# KiCad board main_PCB_v1.kicad_pcb
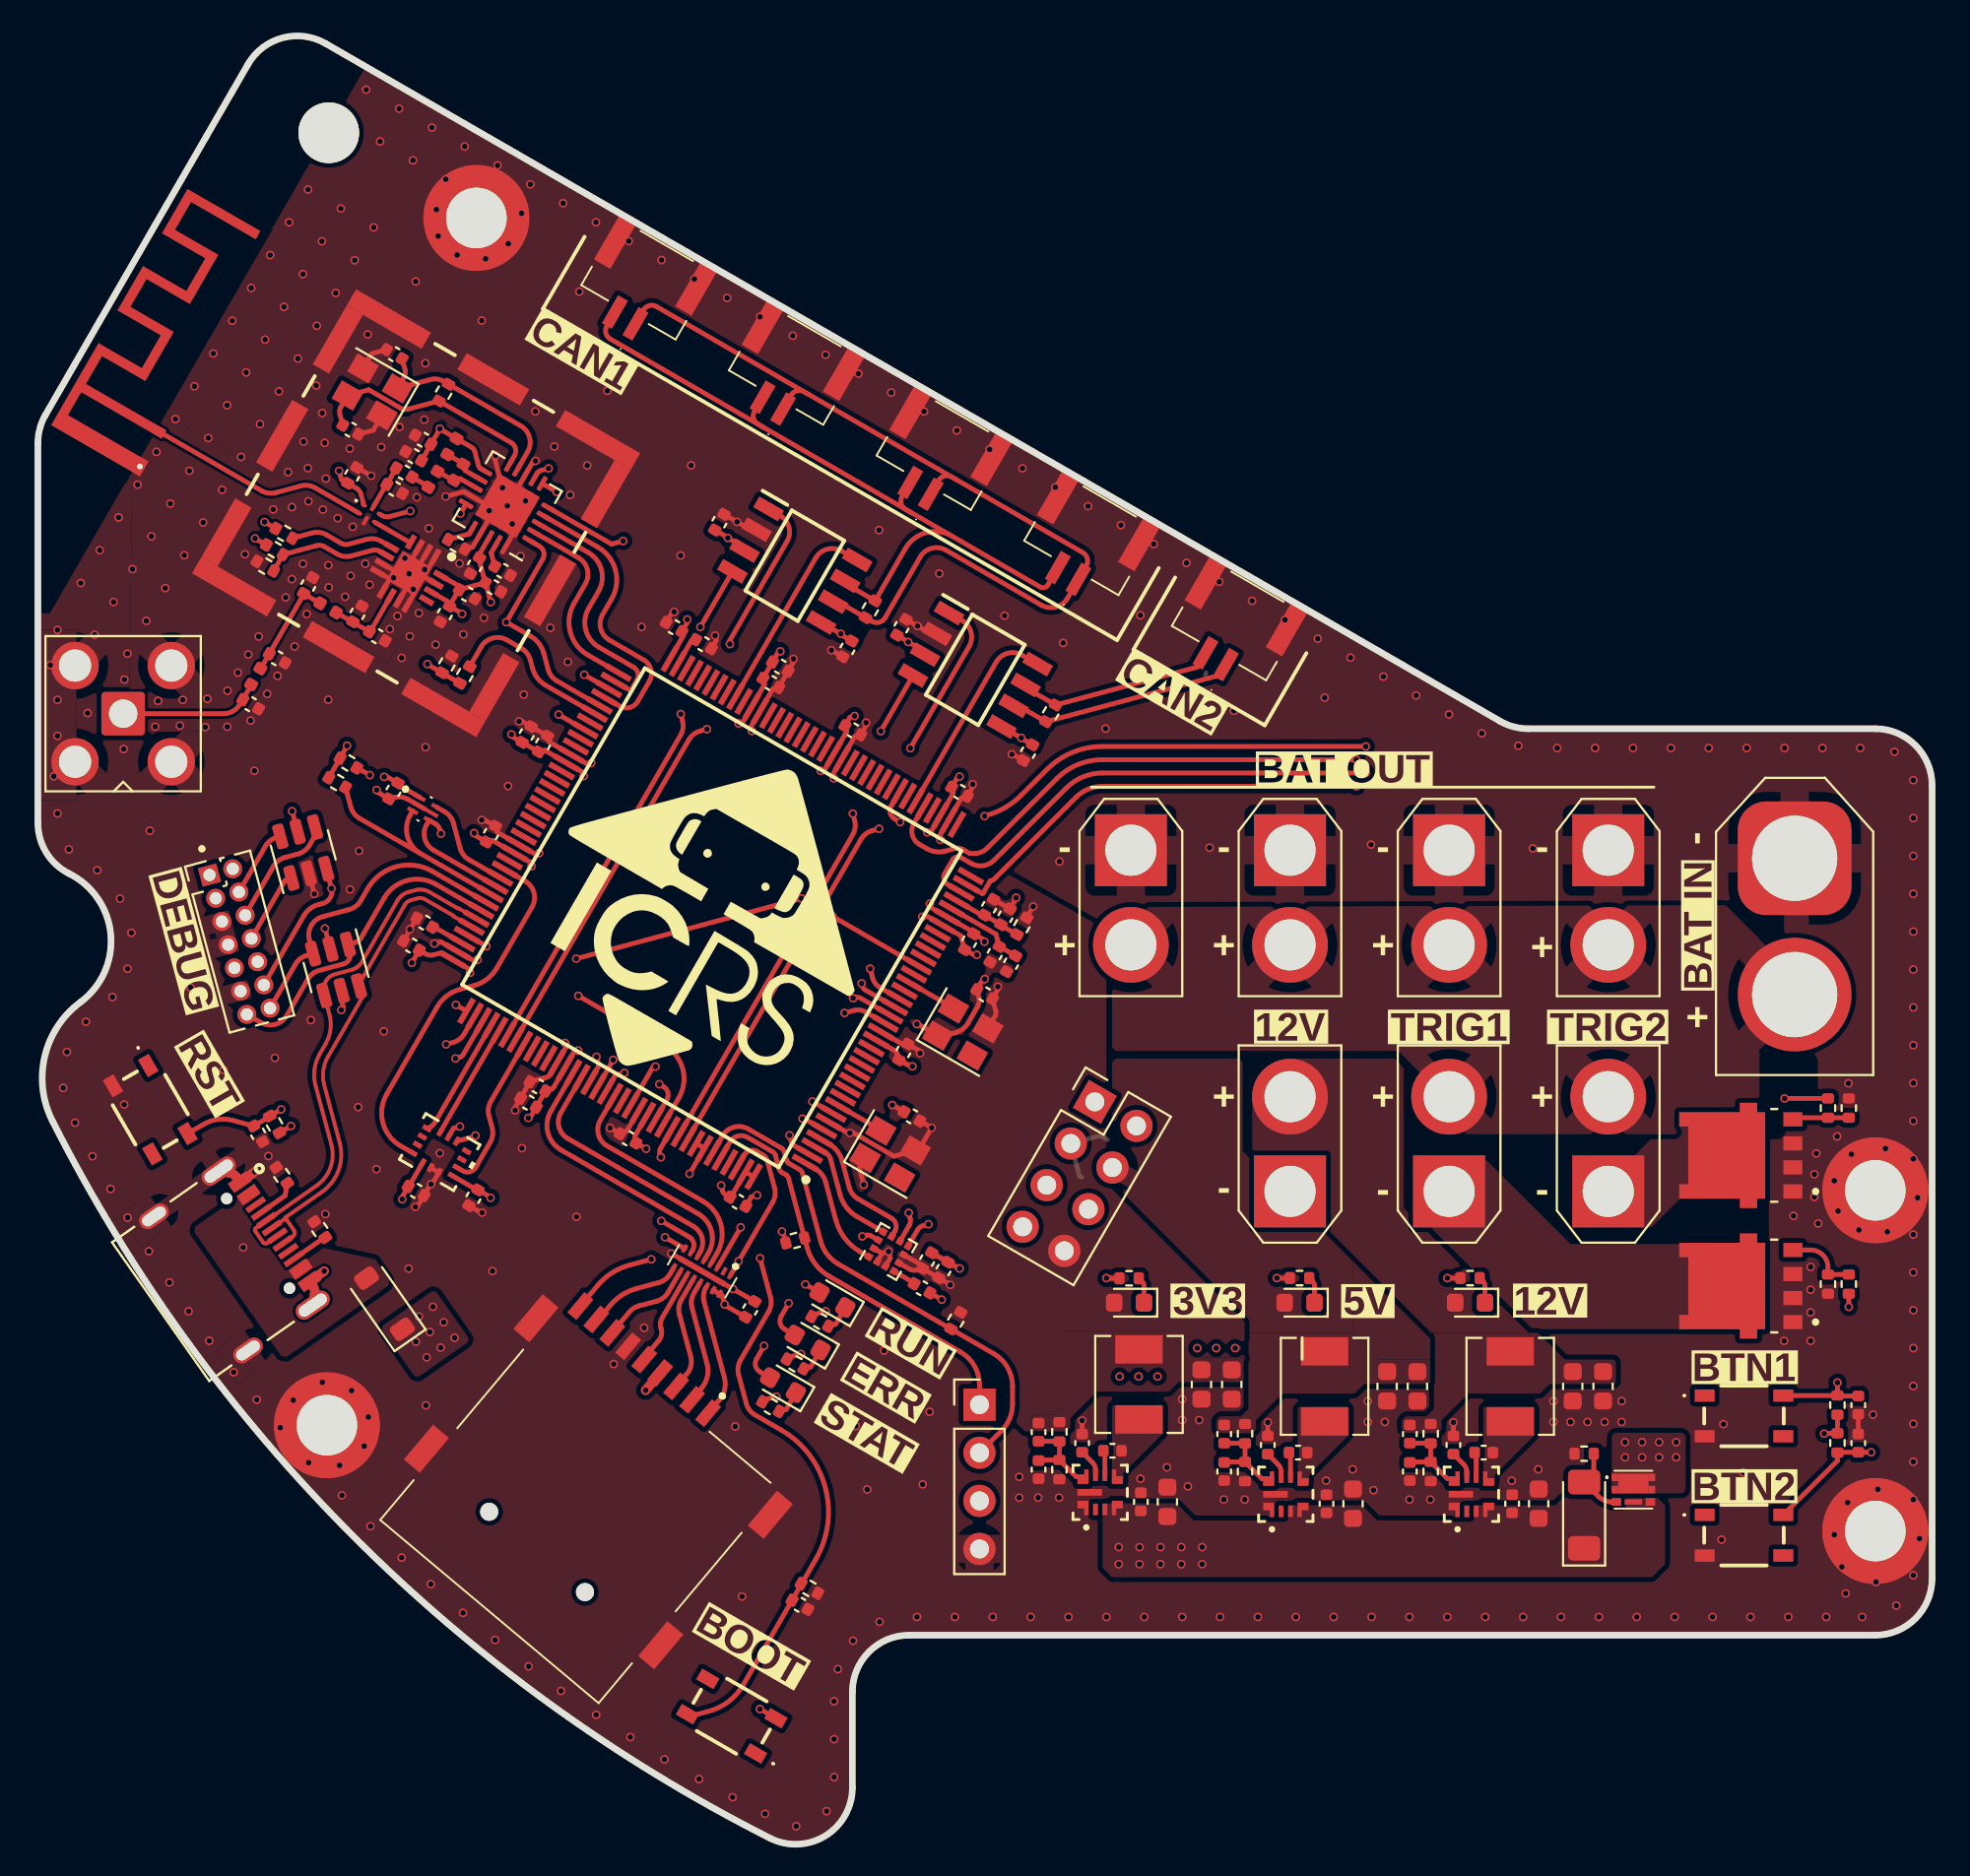
[diagram p0: board, top side]
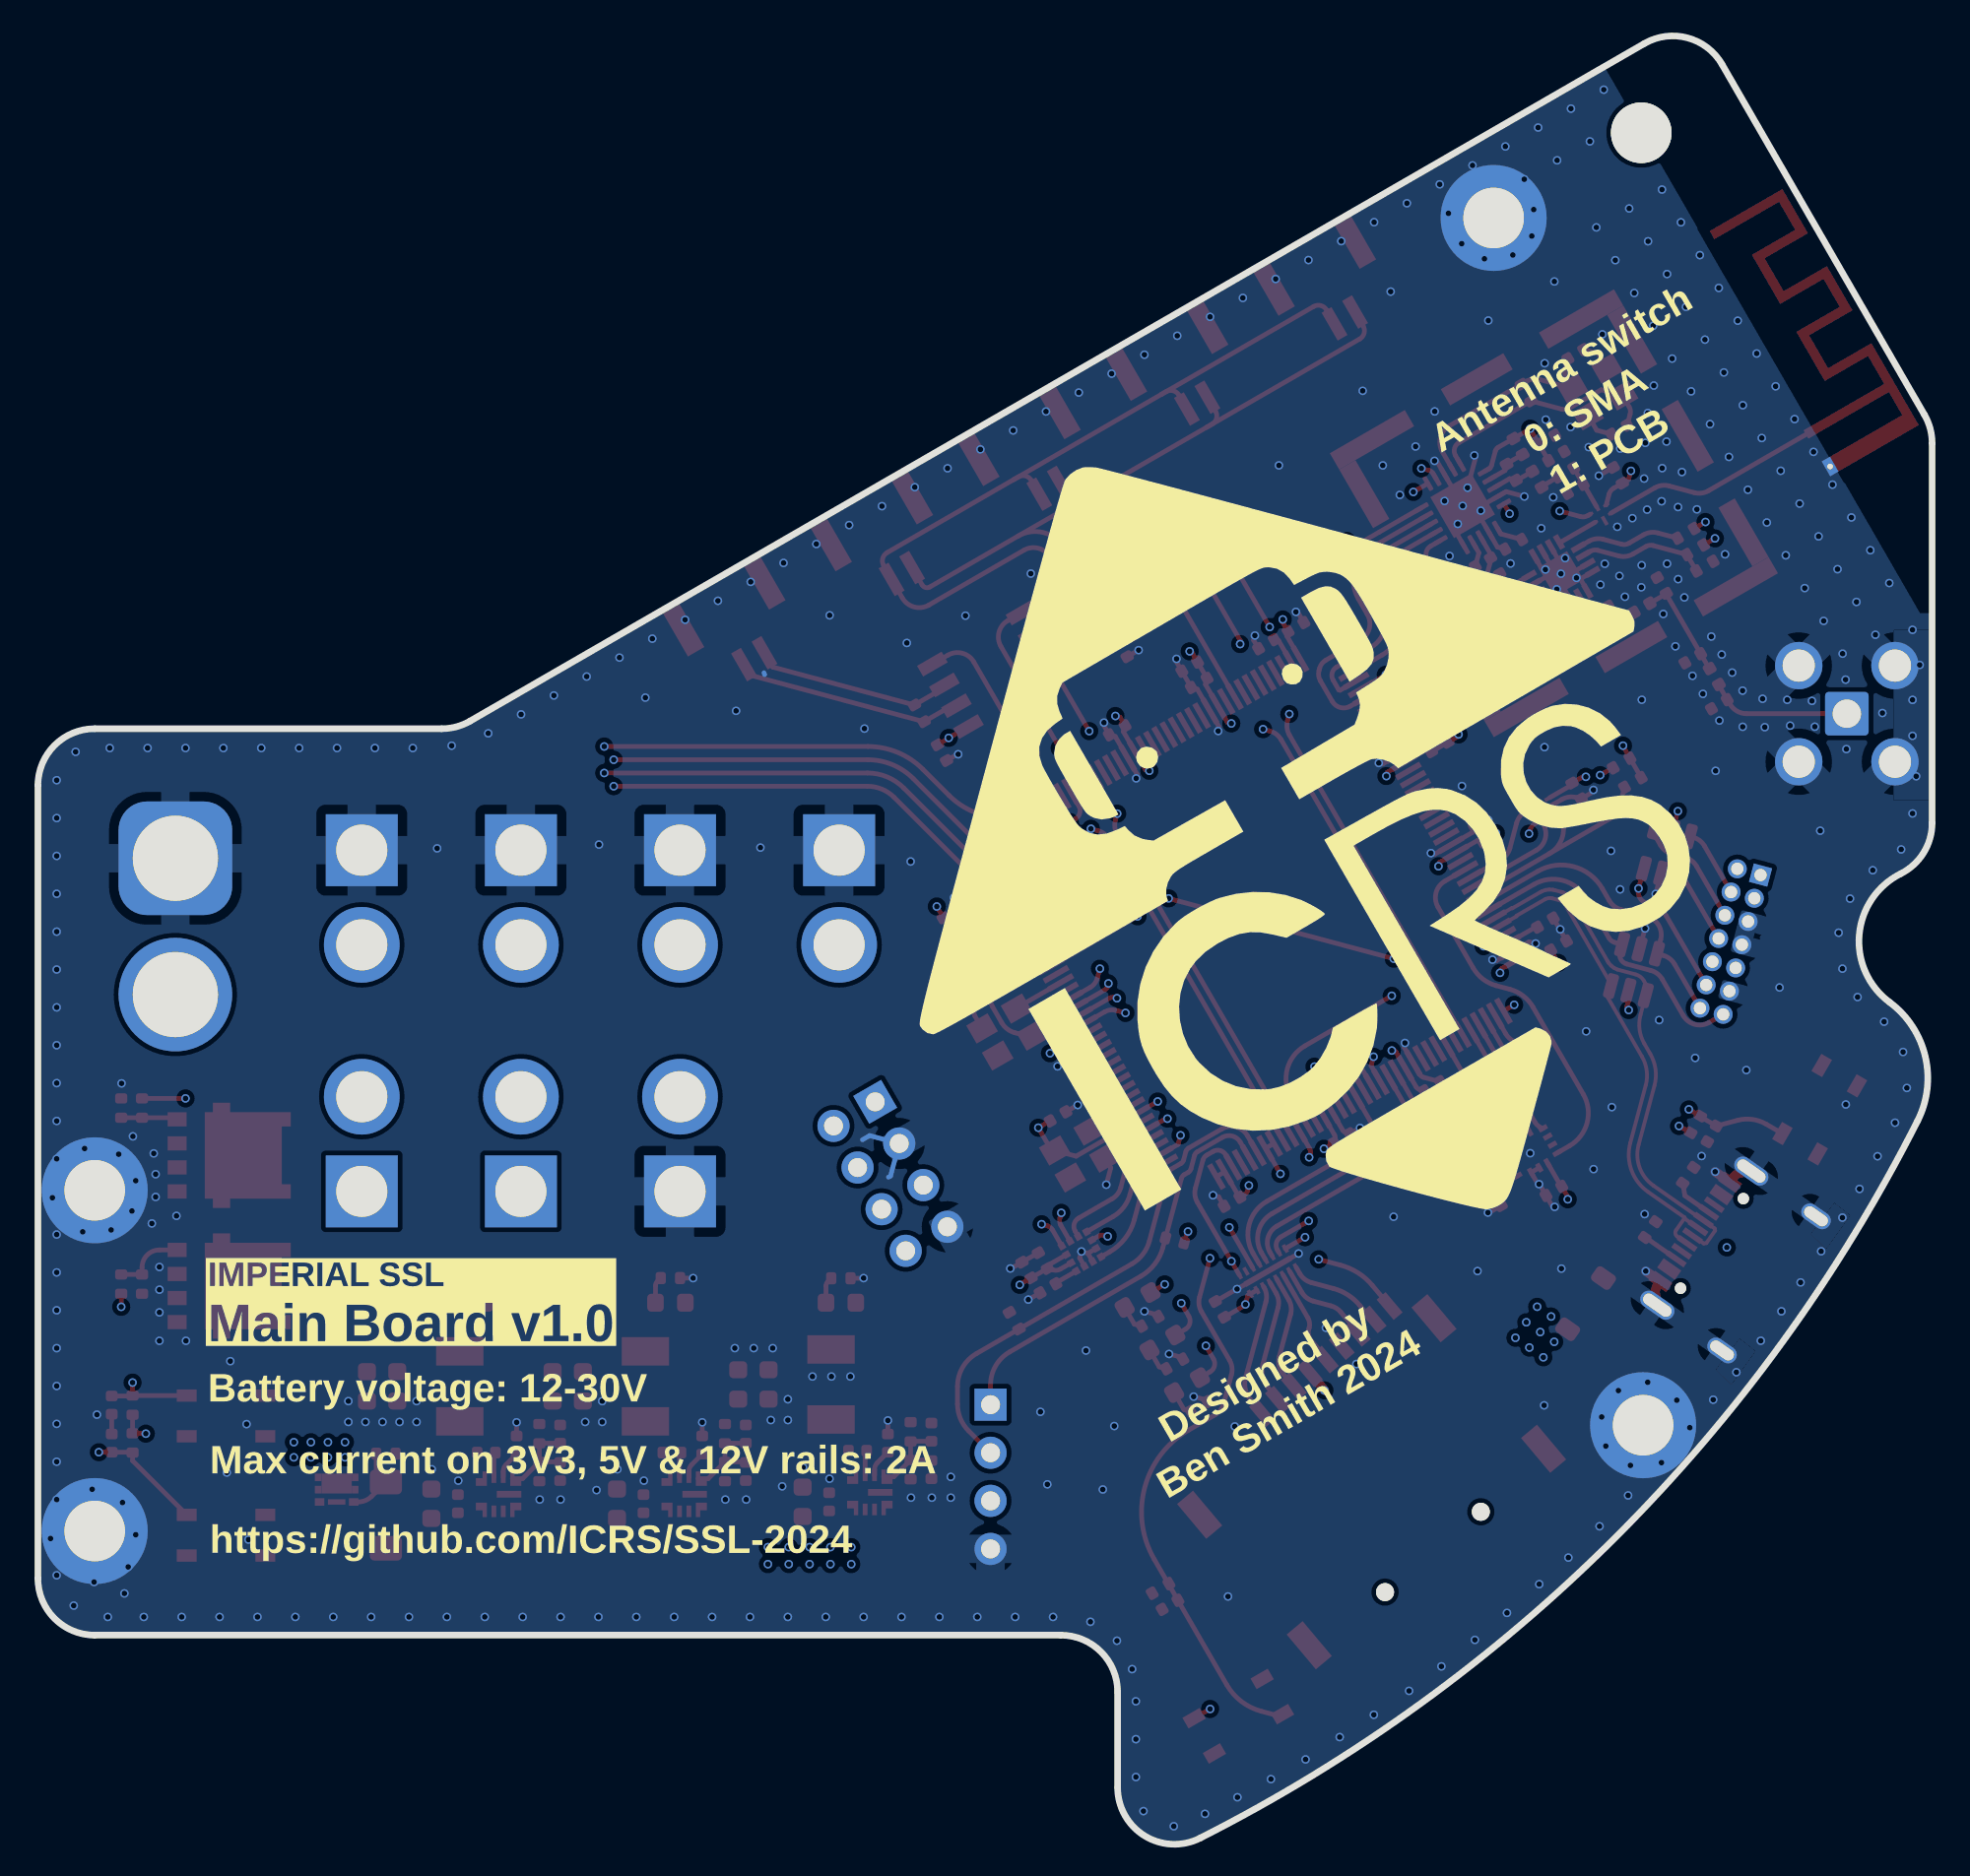
[diagram p1: board, bottom side, seen from below]

Outline 100 x 95.52 mm; copper layers: Top, In1.Cu, In2.Cu, Bottom. Coordinates in mm from the lower left corner of the outline.
Stack: Top 0.035mm / dielectric 0.1mm FR4 er 4.5 / In1.Cu 0.035mm / dielectric 1.24mm FR4 er 4.5 / In2.Cu 0.035mm / dielectric 0.1mm FR4 er 4.5 / Bottom 0.035mm

## Placement (name value [footprint] x y rotation side)
AE401  Antenna  [Texas_SWRA117D_2.4GHz_Right]  6.44 74.59 60 top
C201  100n  [C_0402_1005Metric]  49.98 44.89 150 top
C202  100n  [C_0402_1005Metric]  46.15 38.45 150 top
C203  10n  [C_0402_1005Metric]  11.63 37.52 300 top
C204  10n  [C_0402_1005Metric]  96.1 23.2 270 top
C205  100n  [C_0402_1005Metric]  38.69 61.34 330 top
C206  100n  [C_0402_1005Metric]  26.67 58.12 60 top
C207  100n  [C_0402_1005Metric]  23.92 53.36 60 top
C208  100n  [C_0402_1005Metric]  25.81 58.62 60 top
C209  100n  [C_0402_1005Metric]  19.72 47.47 150 top
C210  100n  [C_0402_1005Metric]  26.39 40.04 150 top
C211  10u  [C_0402_1005Metric]  25.89 39.17 150 top
C212  100n  [C_0402_1005Metric]  48.65 55.59 330 top
C213  100n  [C_0402_1005Metric]  45.69 41.85 240 top
C214  100n  [C_0402_1005Metric]  33.58 64.29 150 top
C215  100n  [C_0402_1005Metric]  36.96 33.94 330 top
C216  100n  [C_0402_1005Metric]  31.16 37.29 150 top
C217  100n  [C_0402_1005Metric]  43.02 58.84 330 top
C218  100n  [C_0402_1005Metric]  49.16 47.67 60 top
C219  10u  [C_0402_1005Metric]  39.19 62.21 330 top
C220  10n  [C_0402_1005Metric]  40.23 12.65 330 top
C221  10n  [C_0402_1005Metric]  96.1 21.19 90 top
C222  10u  [C_0402_1005Metric]  37.6 28.25 60 top
C223  100n  [C_0402_1005Metric]  52.27 57.66 240 top
C224  100n  [C_0402_1005Metric]  42.73 63.14 240 top
C225  100n  [C_0402_1005Metric]  19.97 34.51 330 top
C226  100n  [C_0402_1005Metric]  35.98 69.84 60 top
C227  100n  [C_0402_1005Metric]  45.59 64.29 60 top
C228  100n  [C_0402_1005Metric]  46.94 30.83 60 top
C229  100n  [C_0402_1005Metric]  22.99 34.15 240 top
C230  1u  [C_0402_1005Metric]  47.81 30.33 60 top
C231  100n  [C_0402_1005Metric]  46.68 29.37 330 top
C232  100n  [C_0402_1005Metric]  18.77 55.64 240 top
C233  100n  [C_0402_1005Metric]  50.21 49.49 60 top
C234  1u  [C_0402_1005Metric]  51.08 48.99 60 top
C235  100n  [C_0402_1005Metric]  50.51 47.01 240 top
C236  1u  [C_0402_1005Metric]  51.38 46.51 240 top
C237  100n  [C_0402_1005Metric]  35.14 63.39 330 top
C238  100n  [C_0402_1005Metric]  20.42 48.68 150 top
C301  2u2  [C_0603_1608Metric]  79.23 17.99 90 top
C302  100n  [C_0402_1005Metric]  77.83 17.99 90 top
C303  1u  [C_0402_1005Metric]  74.73 21.09 90 top
C304  100n  [C_0402_1005Metric]  76.33 20.69 180 top
C305  22u  [C_0603_1608Metric]  82.63 24.19 270 top
C306  22u  [C_0603_1608Metric]  81.03 24.19 270 top
C307  100p  [C_0402_1005Metric]  72.43 21.67 270 top
C308  100p  [C_0402_1005Metric]  52.83 21.77 270 top
C309  100p  [C_0402_1005Metric]  62.63 21.67 270 top
C310  1n  [C_0402_1005Metric]  72.43 19.69 270 top
C311  1u  [C_0402_1005Metric]  64.93 21.09 90 top
C312  100n  [C_0402_1005Metric]  66.53 20.69 180 top
C313  2u2  [C_0603_1608Metric]  69.43 17.99 90 top
C314  22u  [C_0603_1608Metric]  71.23 24.19 270 top
C315  22u  [C_0603_1608Metric]  72.83 24.19 270 top
C316  2u2  [C_0603_1608Metric]  59.63 18.09 90 top
C317  1u  [C_0402_1005Metric]  55.13 21.19 90 top
C318  100n  [C_0402_1005Metric]  56.73 20.79 180 top
C319  22u  [C_0603_1608Metric]  61.43 24.29 270 top
C320  22u  [C_0603_1608Metric]  63.03 24.29 270 top
C321  100n  [C_0402_1005Metric]  68.03 17.99 90 top
C322  100n  [C_0402_1005Metric]  58.23 18.09 90 top
C323  1n  [C_0402_1005Metric]  52.83 19.79 270 top
C324  1n  [C_0402_1005Metric]  62.63 19.69 270 top
C401  10n  [C_0402_1005Metric]  24.03 66.4 150 top
C402  1p5  [C_0402_1005Metric]  19.33 72.46 330 top
C403  1p  [C_0402_1005Metric]  18.83 71.59 150 top
C404  2n2  [C_0402_1005Metric]  19.83 73.33 330 top
C405  4p7  [C_0402_1005Metric]  20.33 74.19 330 top
C406  1n  [C_0402_1005Metric]  23.07 67.53 60 top
C407  33n  [C_0402_1005Metric]  24.53 67.26 150 top
C408  10n  [C_0402_1005Metric]  16.59 72.31 240 top
C409  1u  [C_0402_1005Metric]  21.48 64.98 60 top
C410  22p  [C_0402_1005Metric]  16.51 74.72 330 top
C411  22p  [C_0402_1005Metric]  18.81 78.71 150 top
C412  220p  [C_0402_1005Metric]  22.67 66.03 150 top
C413  0p3  [C_0402_1005Metric]  17.92 63.81 150 top
C414  1p5  [C_0402_1005Metric]  16.87 64.99 240 top
C415  1p5  [C_0402_1005Metric]  14.27 66.49 240 top
C416  1p5  [C_0402_1005Metric]  12.63 62.64 150 top
C417  1p5  [C_0402_1005Metric]  11.23 60.22 150 top
D201  SS0540_R1_00001  [D_SOD-123]  18.3 28.55 125 top
D202  Red  [LED_0603_1608Metric]  40.63 26.5 150 top
D203  Green  [LED_0603_1608Metric]  41.95 28.75 150 top
D204  Blue  [LED_0603_1608Metric]  39.33 24.25 150 top
D301  Green  [LED_0603_1608Metric]  75.61 28.6 180 top
D302  Green  [LED_0603_1608Metric]  66.61 28.6 180 top
D303  ZMM10V  [D_MiniMELF]  81.63 17.38 90 top
D304  Green  [LED_0603_1608Metric]  57.61 28.6 180 top
FB201  120R@100MHz  [R_0402_1005Metric]  51.95 48.49 60 top
FL201  EMIF06-MSD02N16  [EMIF06MSD02N16]  35.17 30.44 150 top
G***  LOGO  [ICRS_20mm]  35.57 48.94 330 top
G***#2  LOGO  [ICRS_50mm]  33.78 53.61 150 bottom
IC202  TJA1057GT/3  [SOIC127P600X175-8N]  39.96 67.54 330 top
IC203  TJA1057GT/3  [SOIC127P600X175-8N]  49.49 62.04 330 top
J201  MEM2075-00-140-01-A  [MEM20750014001A]  28.8 18.21 320 top
J203  TYPE-C-31-M-12  [HRO_TYPE-C-31-M-12]  8.61 29.62 305 top
J204  Conn_02x04_Odd_Even  [PinHeader_2x04_P2.54mm_Vertical]  55.8 39.21 330 top
J205  Conn_ST_STDC14  [PinHeader_2x07_P1.27mm_Vertical]  9.06 51.19 15 top
J207  Conn_01x04  [PinHeader_1x04_P2.54mm_Vertical]  49.71 23.22 0 top
J208  SM02B-GHS-TB_LF__SN_  [SM02BGHSTBLFSN]  31.93 82.22 150 top
J209  SM02B-GHS-TB_LF__SN_  [SM02BGHSTBLFSN]  39.72 77.72 150 top
J210  SM02B-GHS-TB_LF__SN_  [SM02BGHSTBLFSN]  47.52 73.22 150 top
J211  SM02B-GHS-TB_LF__SN_  [SM02BGHSTBLFSN]  55.31 68.72 150 top
J212  SM02B-GHS-TB_LF__SN_  [SM02BGHSTBLFSN]  63.1 64.22 150 top
J301  Conn_01x02  [AMASS_XT60-M_1x02_P7.20mm_Vertical]  92.74 52.08 270 top
J302  Conn_01x02  [AMASS_XT30U-F_1x02_P5.0mm_Vertical]  66.1 34.49 90 top
J305  Conn_01x02  [AMASS_XT30U-F_1x02_P5.0mm_Vertical]  82.9 52.51 270 top
J306  Conn_01x02  [AMASS_XT30U-F_1x02_P5.0mm_Vertical]  74.5 52.51 270 top
J307  Conn_01x02  [AMASS_XT30U-F_1x02_P5.0mm_Vertical]  66.1 52.51 270 top
J308  Conn_01x02  [AMASS_XT30U-F_1x02_P5.0mm_Vertical]  57.7 52.51 270 top
J309  Conn_01x02  [AMASS_XT30U-F_1x02_P5.0mm_Vertical]  74.5 34.49 90 top
J310  Conn_01x02  [AMASS_XT30U-F_1x02_P5.0mm_Vertical]  82.9 34.49 90 top
J401  Conn_Coaxial  [SMA_Amphenol_901-143_Horizontal]  4.5 59.72 90 top
L301  4u7  [L_Chilisin_BMRA00040420]  77.73 24.19 90 top
L303  4u7  [L_Chilisin_BMRA00040420]  58.13 24.29 90 top
L305  4u7  [L_Chilisin_BMRA00040420]  67.93 24.19 90 top
L401  3n9  [L_0402_1005Metric]  20.86 72.1 60 top
L402  2n4  [L_0402_1005Metric]  15.32 65.31 330 top
L403  8n2  [L_0402_1005Metric]  22.22 72.47 60 top
L404  2n7  [L_0402_1005Metric]  21.86 73.83 60 top
L405  2n4  [L_0402_1005Metric]  11.5 61.68 60 top
OL101  Main_board_outline_v2  [main_board_outline_v2]  46.01 47.93 0 top
Q302  DMP3028LFDE  [DMP2066UFDE7]  84.23 18.73 270 top
R201  5k1  [R_0402_1005Metric]  12.87 35.33 125 top
R202  5k1  [R_0402_1005Metric]  14.88 32.47 125 top
R203  4k7  [R_0402_1005Metric]  39.98 31.89 15 top
R204  4k7  [R_0402_1005Metric]  48.46 27.65 240 top
R205  10k  [R_0402_1005Metric]  12.49 38.02 300 top
R206  10k  [R_0402_1005Metric]  95 23.2 270 top
R207  10k  [R_0402_1005Metric]  40.73 13.51 150 top
R208  120R  [R_0402_1005Metric]  53.47 59.74 240 top
R209  120R  [R_0402_1005Metric]  43.94 65.24 240 top
R210  10k  [R_0402_1005Metric]  95 21.2 90 top
R211  2k7  [R_0402_1005Metric]  40 25.37 330 top
R212  2k7  [R_0402_1005Metric]  41.3 27.62 330 top
R213  2k7  [R_0402_1005Metric]  38.7 23.12 330 top
R214  4k7  [R_0402_1005Metric]  15.8 56.08 330 top
R215  4k7  [R_0402_1005Metric]  16.39 57.11 330 top
R301  120k  [R_0402_1005Metric]  73.53 21.69 270 top
R302  10k  [R_0402_1005Metric]  73.53 19.69 270 top
R303  22k  [R_0402_1005Metric]  75.61 29.9 0 top
R304  6k8  [R_0402_1005Metric]  66.61 29.9 0 top
R305  3k3  [R_0402_1005Metric]  57.61 29.89 0 top
R307  2k2  [R_0402_1005Metric]  81.63 20.63 180 top
R308  49k9  [R_0402_1005Metric]  63.73 21.69 270 top
R309  10k  [R_0402_1005Metric]  63.73 19.69 270 top
R310  33k  [R_0402_1005Metric]  53.93 21.79 270 top
R311  10k  [R_0402_1005Metric]  53.93 19.79 270 top
R312  10R  [R_0402_1005Metric]  95.6 29.59 270 top
R313  10R  [R_0402_1005Metric]  94.5 38.89 90 top
R314  10k  [R_0402_1005Metric]  95.6 38.89 90 top
R315  10k  [R_0402_1005Metric]  94.5 29.59 270 top
R401  22k  [R_0402_1005Metric]  22.11 68.66 330 top
R402  1M  [R_0402_1005Metric]  21.42 76.68 60 top
R403  1k  [R_0402_1005Metric]  13 69.24 330 top
R404  1k  [R_0402_1005Metric]  12.5 68.38 330 top
R405  22k  [R_0402_1005Metric]  12 67.51 150 top
R406  22k  [R_0402_1005Metric]  22.54 61.76 240 top
R407  22k  [R_0402_1005Metric]  21.59 62.32 60 top
S201  TS20-42-25-WT-160-SMT-TR  [TS204225WT160SMTTRMSL]  90.07 22.62 0 top
S202  TS20-42-25-WT-160-SMT-TR  [TS204225WT160SMTTRMSL]  36.63 6.76 150 top
S203  TS20-42-25-WT-160-SMT-TR  [TS204225WT160SMTTRMSL]  5.93 38.8 300 top
S204  TS20-42-25-WT-160-SMT-TR  [TS204225WT160SMTTRMSL]  90.07 16.32 0 top
S401  SKY13453-385LF  [SKY13453385LF]  17.5 70.28 330 top
SH401  SMS-202F  [SMS202F]  19.97 70.3 330 top
T301  NVMFS4C05NT1G  [TRANS_NVMFS5834NLWFT1G]  89.9 36.39 180 top
T302  NVMFS4C05NT1G  [TRANS_NVMFS5834NLWFT1G]  89.9 29.49 180 top
U201  STM32H723ZGT6  [QFP50P2200X2200X160-144N]  35.57 48.94 150 top
U202  USBLC6-4SC6  [SOT-23-6]  14.01 52.38 105 top
U203  USBLC6-4SC6  [SOT-23-6]  15.74 46.19 285 top
U204  BMI270  [BMI270_BOS]  21.21 36.56 330 top
U206  LIS3MDL  [LGA-12_2x2mm_P0.5mm]  44.91 31.31 60 top
U211  M24C08-FMH6TG  [M24C08FMH6TG]  20.42 54.69 330 top
U301  LMR43620MB5RPER  [LMR43620MB5RPER_TEX]  65.88 18.49 90 top
U302  LMR43620MB5RPER  [LMR43620MB5RPER_TEX]  56.08 18.59 90 top
U303  LMR43620MB5RPER  [LMR43620MB5RPER_TEX]  75.68 18.49 90 top
U401  NRF24L01  [QFN-20-1EP_4x4mm_P0.5mm_EP2.5x2.5mm]  24.78 70.7 150 top
U402  RFX2401C  [QFN50P300X300X60-17N-D]  19.6 67.11 240 top
X201  25MHz_Clock  [Oscillator_SMD_Abracon_ASE-4Pin_3.2x2.5mm]  48.83 42.9 330 top
X202  32.768kHz_Clock  [Oscillator_SMD_Abracon_ASE-4Pin_3.2x2.5mm]  45 36.46 330 top
Y402  16M  [Oscillator_SMD_Abracon_ASE-4Pin_3.2x2.5mm]  17.66 76.72 150 top

## Library data of the parts
AE401 = -: Description: Antenna with extra pin for shielding
C201-C238 C301-C324 C401-C417 = -: Description: Unpolarized capacitor, small symbol
D201 = -: Description: Schottky diode
D202-D204 D301 D302 D304 = -: Description: Light emitting diode, small symbol
D303 = -: Description: 500mW Zener Diode, MiniMELF
FB201 = -: Description: Ferrite bead, small symbol
FL201 = -: Description: 6-Line EMI filter&ESD for SD card uQFN16 STMicroelectronics EMIF06-MSD02N16, EMI Filter & ESD Protector; Arrow Price/Stock: https://www.arrow.com/en/products/emif06-msd02n16/stmicroelectronics?region=nac; Height: 0; Manufacturer_Name: STMicroelectronics; Mouser Part Number: 511-EMIF06-MSD02N16; Mouser Price/Stock: https://www.mouser.co.uk/ProductDetail/STMicroelectronics/EMIF06-MSD02N16?qs=1CGoW%2F3pMwpSqVuN8kmN4Q%3D%3D
IC202 IC203 = -: Description: High-speed CAN transceiver; Height: 1.75; Manufacturer_Name: NXP; Manufacturer_Part_Number: TJA1057T; Mouser Part Number: N/A; Mouser Price/Stock: https://www.mouser.com/Search/Refine.aspx?Keyword=N%2FA
J201 = -: Description: GCT (GLOBAL CONNECTOR TECHNOLOGY) - MEM2075-00-140-01-A - MICRO SD CARD CONN, PUSH-PUSH, 9POS, SMT; Manufacturer_Name: GCT (GLOBAL CONNECTOR TECHNOLOGY); Mouser Part Number: 640-MEM20750014001A; Mouser Price/Stock: https://www.mouser.co.uk/ProductDetail/GCT/MEM2075-00-140-01-A?qs=KUoIvG%2F9IlZvfWpeERlq3Q%3D%3D
J203 = -: MANUFACTURER: HRO Electronics Co., Ltd.; MAXIMUM_PACKAGE_HEIGHT: 3.26 mm; PARTREV: 2020.12.08; STANDARD: Manufacturer Recommendations
J204 = -: Description: Generic connector, double row, 02x04, odd/even pin numbering scheme (row 1 odd numbers, row 2 even numbers), script generated (kicad-library-utils/schlib/autogen/connector/)
J205 = -: Description: ST Debug Connector, standard ARM Cortex-M SWD and JTAG interface plus UART
J207 = -: Description: Generic connector, single row, 01x04, script generated (kicad-library-utils/schlib/autogen/connector/)
J208-J212 = -: Description: GH 1.25mm header side entry 2 way JST GH Series, 1.25mm Pitch 2 Way Shrouded Right Angle PCB Header, Surface Mount, Solder Termination; Arrow Part Number: SM02B-GHS-TB(LF)(SN); Arrow Price/Stock: https://www.arrow.com/en/products/sm02b-ghs-tb-lf-sn/jst-manufacturing?region=europe; Height: 4.25; Manufacturer_Name: JST (JAPAN SOLDERLESS TERMINALS); Manufacturer_Part_Number: SM02B-GHS-TB(LF)(SN)
J301 J302 J305-J310 = -: Description: Generic connector, single row, 01x02, script generated (kicad-library-utils/schlib/autogen/connector/)
J401 = -: Description: coaxial connector (BNC, SMA, SMB, SMC, Cinch/RCA, LEMO, ...)
L301 L303 L305 L401-L405 = -: Description: Inductor, small symbol
Q302 = -: Description: MOSFET 30V P-Ch Enh FET 32mOhm -10V -6.8A; Arrow Part Number: DMP3028LFDE-7; Arrow Price/Stock: https://www.arrow.com/en/products/dmp3028lfde-7/diodes-incorporated?region=nac; Manufacturer_Name: Diodes Inc.; Manufacturer_Part_Number: DMP3028LFDE-7; Mouser Part Number: 621-DMP3028LFDE-7; Mouser Price/Stock: https://www.mouser.co.uk/ProductDetail/Diodes-Incorporated/DMP3028LFDE-7?qs=wo71MgyKIyE%2FG8iDJwxqKA%3D%3D
R201-R215 R301-R305 R307-R315 R401-R407 = -: Description: Resistor, small symbol
S201-S204 = -: Description: Tactile Switches 4.2 x 3.2 mm, 2.5 mm Actuator Height, 160 gf, White, Surface Mount, TR, SPST, Tactile Switch; Height: 2.7; Manufacturer_Name: CUI Devices; Mouser Part Number: 179-TS204225WT160SMT; Mouser Price/Stock: https://www.mouser.co.uk/ProductDetail/CUI-Devices/TS20-42-25-WT-160-SMT-TR?qs=tlsG%2FOw5FFiXbig16X7ymQ%3D%3D
S401 = -: Description: RF Switch ICs .4-3.0GHz SP2T IL .4dB @ 2.GHz; Height: 0.5; Manufacturer_Name: Skyworks; Mouser Part Number: 873-SKY13453-385LF; Mouser Price/Stock: https://www.mouser.co.uk/ProductDetail/Skyworks-Solutions-Inc/SKY13453-385LF?qs=yY2CsyLqCOEmsrQn3jVPZQ%3D%3D
SH401 = -: Description: LEADER TECH-FERRISHIELD - SMS-202F - EMI SHIELDING, 16.51 X 16.51 X 3.6MM; Height: 3.61; Manufacturer_Name: Leader Tech Inc.; Mouser Part Number: 861-SMS-202F; Mouser Price/Stock: https://www.mouser.co.uk/ProductDetail/LeaderTech/SMS-202F?qs=u16ybLDytRbgzca11M5g%252BQ%3D%3D
T301 T302 = -: Description: N-Channel MOSFET (from ODrive)
U202 U203 = -: Description: Very low capacitance ESD protection diode, 4 data-line, SOT-23-6
U204 = -: Field4: *; Field5: *; Field6: *; Field8: *
U206 = -: Description: Ultra-low-power, 3-axis digital output magnetometer, LGA-12
U211 = -: Description: EEPROM MEMORY; Height: 0.55; Manufacturer_Name: STMicroelectronics; Mouser Part Number: 511-M24C08-FMH6TG; Mouser Price/Stock: https://www.mouser.co.uk/ProductDetail/STMicroelectronics/M24C08-FMH6TG?qs=HXFqYaX1Q2wc5eJfgmgQcw%3D%3D
U401 = -: Description: Ultra low power 2.4GHz RF Transceiver, QFN-20
U402 = -: Description: RF Front End 2.4GHz ZigBee/ISM RFeIC PA+LNA+SPDT; Height: 0.6; Manufacturer_Name: Skyworks; Mouser Part Number: 477-RFX2401C; Mouser Price/Stock: https://www.mouser.co.uk/ProductDetail/Skyworks-Solutions-Inc/RFX2401C?qs=dBWc1juS%252B3ydEXrKsuxQ7A%3D%3D
X201 = -: Description: 25MHz Clock
X202 = -: Description: 32.768kHz Clock
Y402 = -: Description: Four pin crystal, GND on pins 2 and 4, small symbol; Mfr Part No.: ABM8W-16.0000MHZ-8-K1Z-T3
